# Altium PCB MIXR Power.PcbDoc
Units mm, origin at the board's own origin, x right, y up, seen from the top; angles counter-clockwise.
Board outline 85 x 60 mm, 2 copper layers (Top Layer, Bottom Layer); 89 components, 70 nets, 315 pads, 209 vias.
Unrouted connection lines stored in the file: 55.
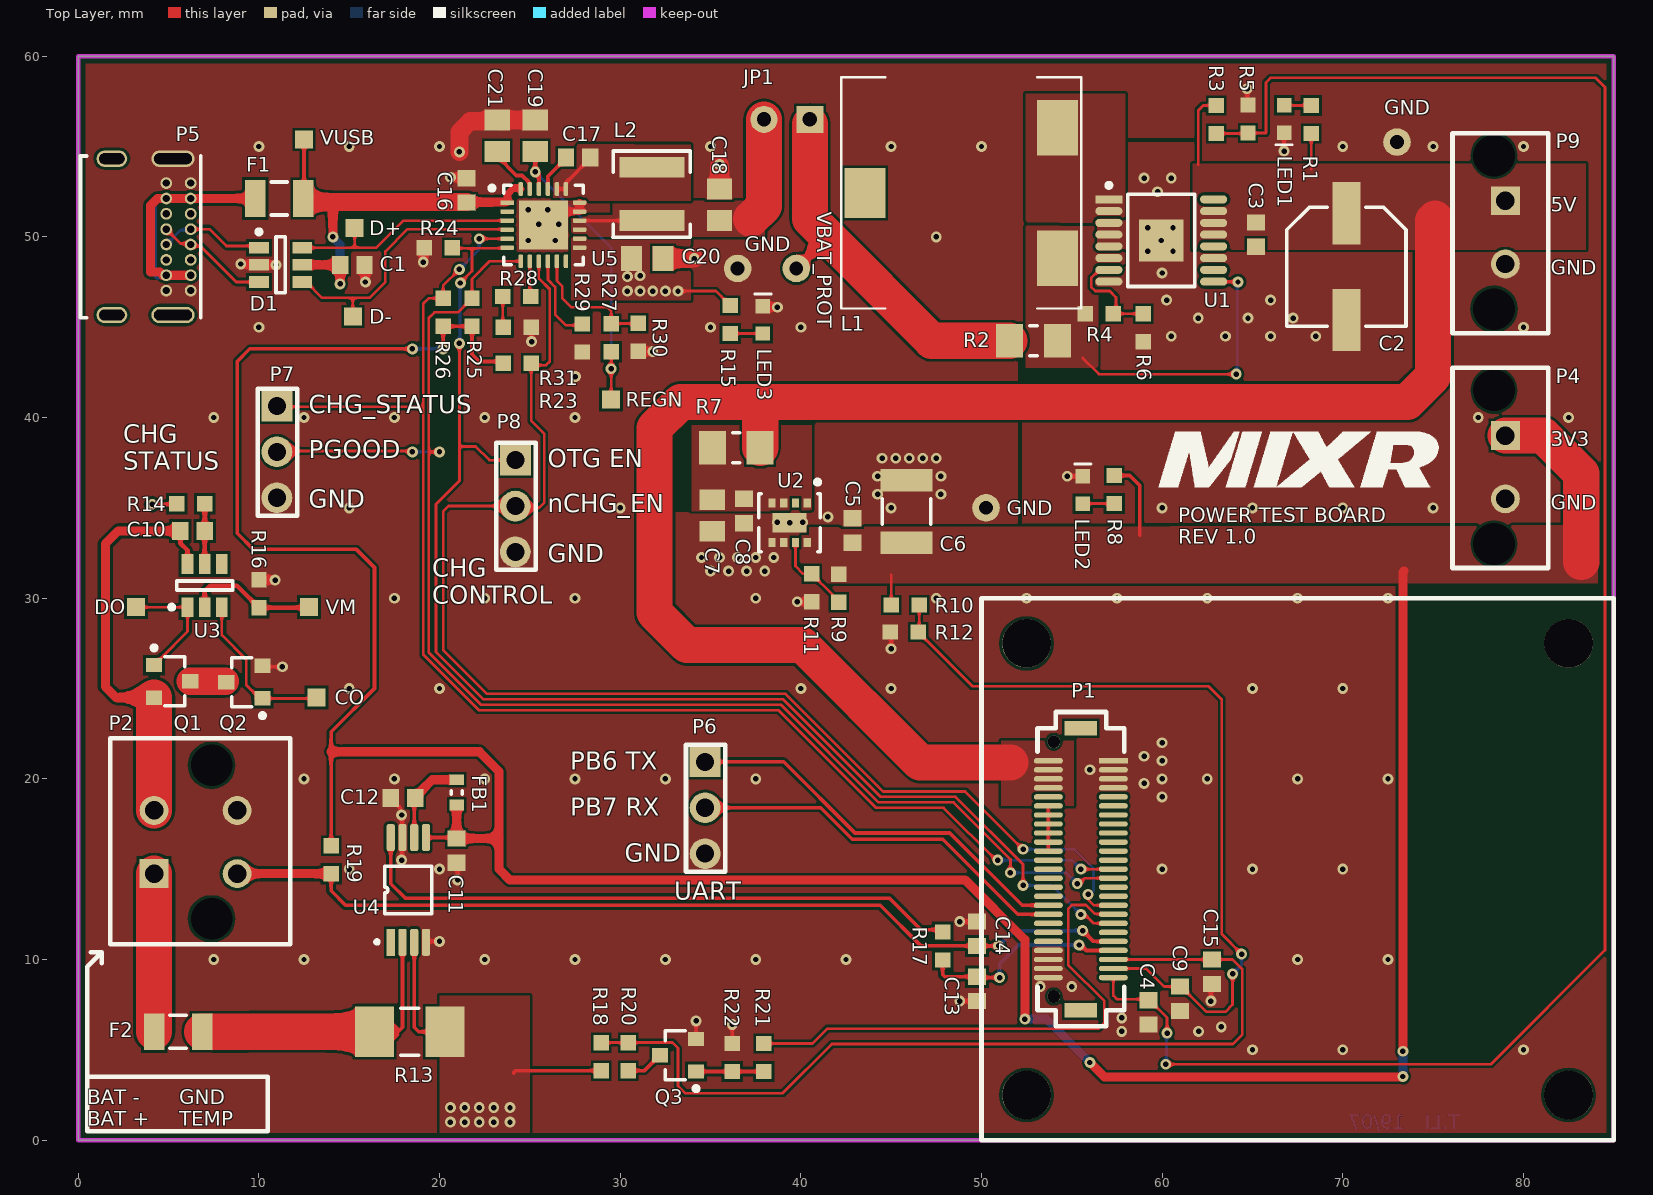
[diagram p0: Top Layer view]
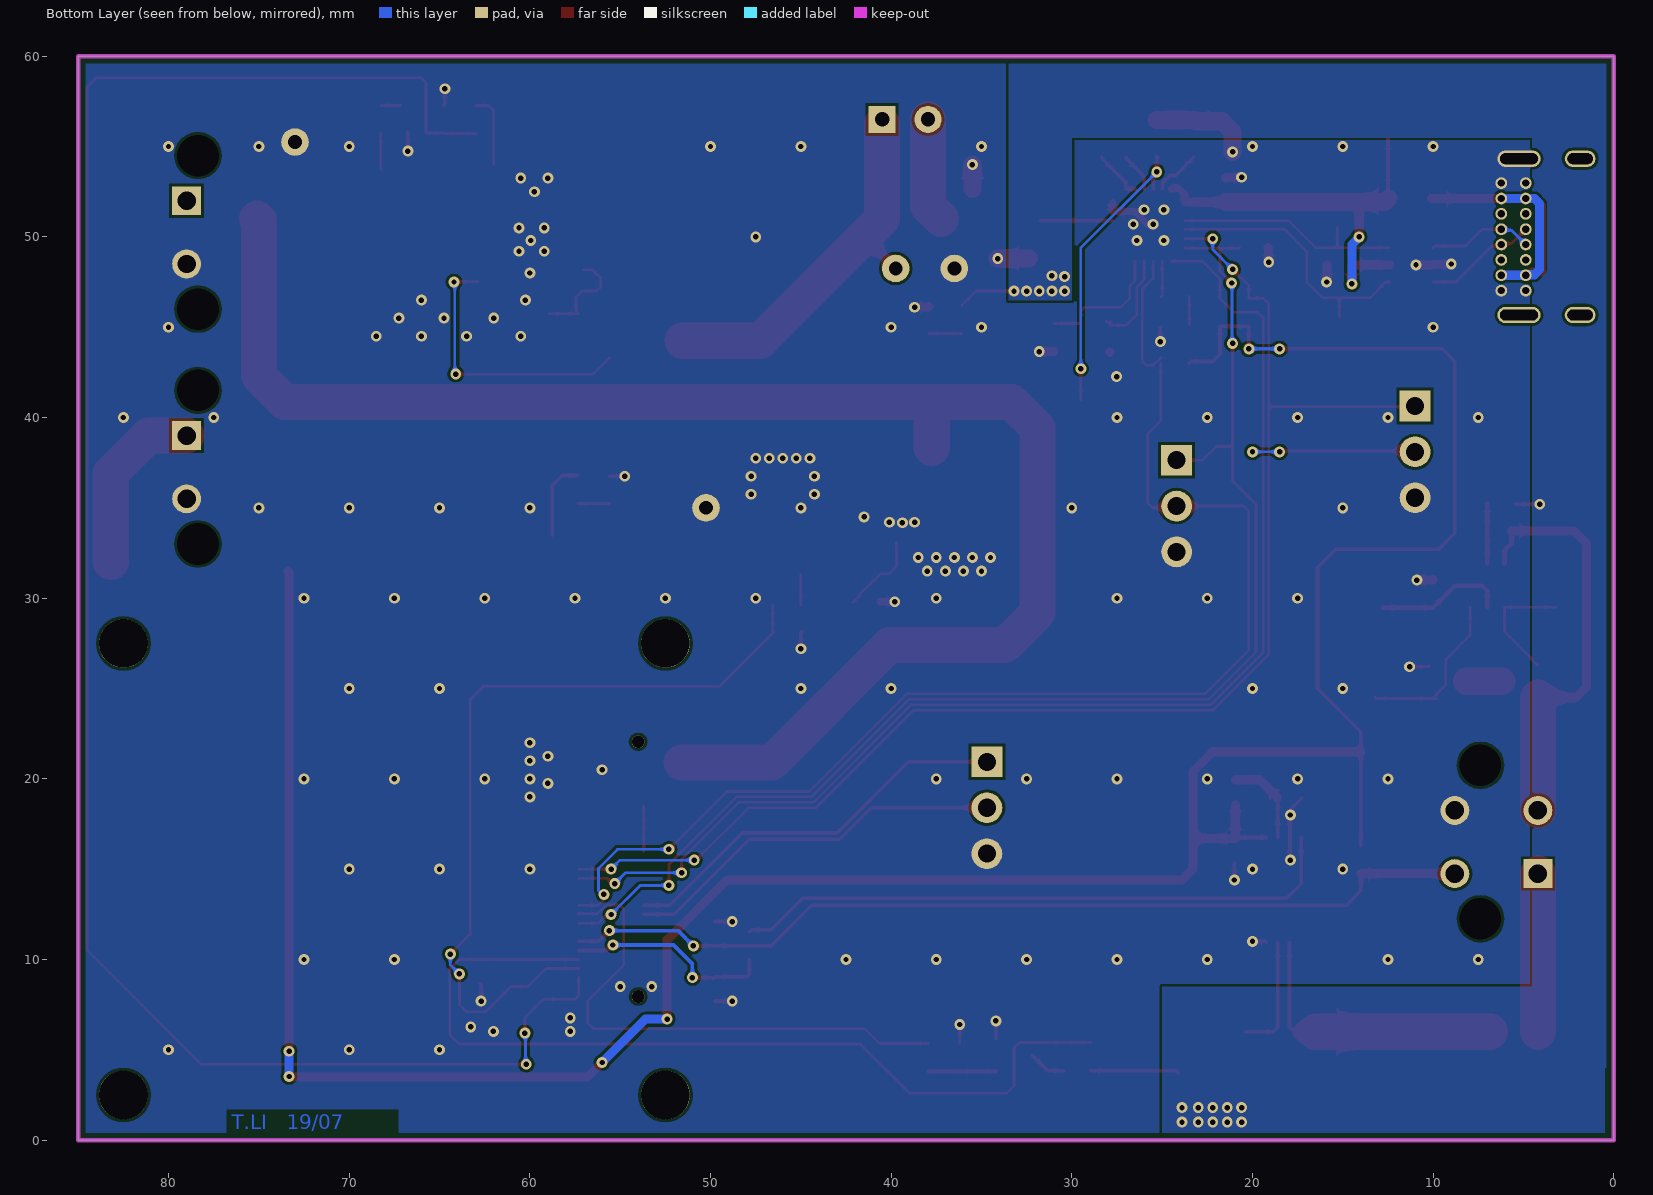
[diagram p1: Bottom Layer view, seen from below]
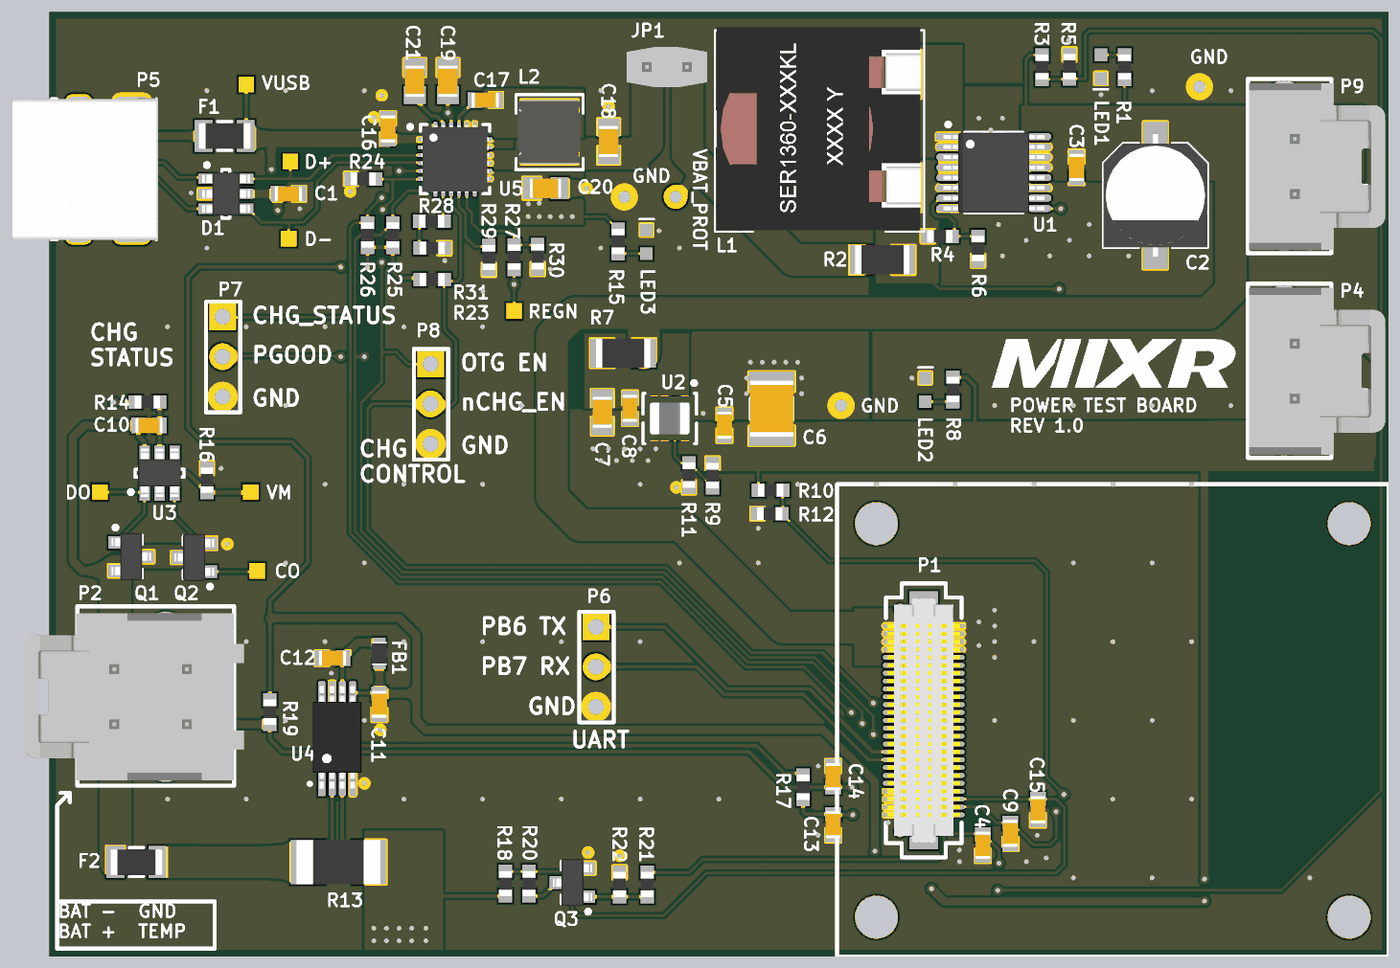
[diagram p2: 3D render of the assembled board from above, using the file's embedded part models]

## Layer stack, top to bottom
Top Solder: solder mask 0.0102, Solder Resist, Dk 3.5
Top Layer: signal copper 0.0356
Dielectric 1: dielectric 0.32, FR-4, Dk 4.8
Bottom Layer: signal copper 0.0356
Bottom Solder: solder mask 0.0102, Solder Resist, Dk 3.5

## Board outline
0,0 0,60 85,60 85,0

## Design rules (kind name [scope] priority, off if disabled: settings)
BoardOutlineClearance [All] p1: gap=0.406 ignorepadtopadclearanceinfootprint=FALSE
Clearance [All] p1: gap=0.152 ignorepadtopadclearanceinfootprint=TRUE except(0: Arc-Hole Track-Hole SMDPad-Hole THPad-Hole Via-Hole Fill-Hole Poly-Hole Region-Hole Text-Hole)
ComponentClearance ComponentClearance_ControllerBoard [InComponent('P1') vs Identifier = 'Controller_Board'] p1: gap=0 collisioncheckmode=3 verticalgap=0 showdistances=FALSE
ComponentClearance ComponentClearance_Standoffs [Identifier = 'Standoff' vs Identifier = 'Controller_Board'] p2: gap=0 collisioncheckmode=3 verticalgap=0 showdistances=FALSE
ComponentClearance [All] p3: gap=0.254 collisioncheckmode=3 verticalgap=0.254 showdistances=FALSE
HoleSize [All] p1: absolutevalues=TRUE maxlimit=6.3 minlimit=0.3 maxpercent=80.000 minpercent=20.000
MinimumAnnularRing [All] p1: minimumring=0.05
MinimumSolderMaskSliver [All] p1: minsoldermaskwidth=0.3
PolygonConnect [IsPad] p1: connectstyle=Direct reliefconductorwidth=0.254 reliefentries=4 polygonreliefangle="90 Angle" airgapwidth=0.254
PolygonConnect PolygonConnect_NoThermal [Not(IsPad)] p2: connectstyle=Direct reliefconductorwidth=0.254 reliefentries=4 polygonreliefangle="90 Angle" airgapwidth=0.254
RoutingVias [All] p1: holewidth=0.3 width=0.6 viastyle="Through Hole" minholewidth=0.3 minwidth=0.6 maxholewidth=0.711 maxwidth=1.27
SilkToSolderMaskClearance [IsPad] p1: minsilkscreentomaskgap=0.178 clearancetoexposedcopper=TRUE
SolderMaskExpansion [All] p1: expansion=0.102
Width [All] p1: maxlimit=3 minlimit=0.15 preferedwidth=0.15
26 further rules are at their usual default settings.

## Classes and differential pairs
component class "MIXR Power - Regulators": C2 C3 C4 C5 C6 C7 C8 C9 L1 LED1 LED2 R1 R2 R3 R4 R5 R6 R7 R8 R9 R10 R11 R12 U1 U2
component class "MIXR Power - Connectors": C1 D1 D+ D- F1 GND P1 P2 P4 P5 P6 P7 P8 P9 VUSB
component class "MIXR Power - Battery Management System": C10 C11 C12 C13 C14 C15 CO DO F2 FB1 LED3 Q1 Q2 Q3 R13 R14 R15 R16 R17 R18 R19 R20 R21 R22 U3 U4 VM
component class "MIXR Power - Battery Charging": C16 C17 C18 C19 C20 C21 JP1 L2 R23 R24 R25 R26 R27 R28 R29 R30 R31 REGN U5 VBAT_PROT

## Components (designator, comment, footprint, x,y, rotation, side; value= is the part's Value field where it differs from the comment)
C1 "CAP CER 0.1UF 50V 10% X7R 0603" "CAP, 0603" 15.175,48.45 r0 top
C2 "CAP ALUM 220UF 20% 16V SMD" "CAP ALUM 6.3MM RADIAL SMD" 70.2,48.35 r270 top
C3 "CAP CER 1UF 50V 10% X7R 0603" "CAP, 0603" 65.2,50.125 r270 top
C4 "CAP CER 10nF 50V 5% X7R 0603" "CAP, 0603" 59.25,7.075 r270 top
C5 "CAP CER 0.1UF 50V 10% X7R 0603" "CAP, 0603" 42.85,33.75 r90 top
C6 "CAP CER 22UF 16V ±20% X5R 1210" "CAP, 1210" 45.85,34.8 r90 top
C7 "CAP CER 10uF 25V 10% X5R 0805" "CAP, 0805" 35.1,34.575 r270 top
C8 "CAP CER 0.1UF 50V 10% X7R 0603" "CAP, 0603" 36.85,34.825 r270 top
C9 "CAP CER 10nF 50V 5% X7R 0603" "CAP, 0603" 61,7.825 r270 top
C10 "CAP CER 0.1UF 50V 10% X7R 0603" "CAP, 0603" 6.33,33.729 r180 top
C11 "CAP CER 0.1UF 50V 10% X7R 0603" "CAP, 0603" 20.95,16.025 r270 top
C12 "CAP CER 0.1UF 50V 10% X7R 0603" "CAP, 0603" 17.975,18.95 r180 top
C13 "CAP CER 10nF 50V 5% X7R 0603" "CAP, 0603" 49.75,8.375 r270 top
C14 "CAP CER 10nF 50V 5% X7R 0603" "CAP, 0603" 49.75,11.425 r90 top
C15 "CAP CER 10nF 50V 5% X7R 0603" "CAP, 0603" 62.75,9.325 r270 top
C16 "CAP CER 1UF 50V 10% X7R 0603" "CAP, 0603" 21.5,52.575 r90 top
C17 "CAP CER 0.047UF 10% 25V X7R 0603" "CAP, 0603" 27.675,54.4 r180 top
C18 "CAP CER 10uF 25V 10% X5R 0805" "CAP, 0805" 35.5,51.775 r90 top
C19 "CAP CER 4.7UF 50V 10% X5R 0805" "CAP, 0805" 25.3,55.6 r90 top value=4.7uF
C20 "CAP CER 10uF 25V 10% X5R 0805" "CAP, 0805" 31.5,48.8 r0 top
C21 "CAP CER 10uF 25V 10% X5R 0805" "CAP, 0805" 23.2,55.6 r90 top
CO "Test Point" "Test Point" 13.2,24.5 r0 top
D1 "DIODE TVS 5.25V 17V SOT23-6" SOT23-6 11.229,48.445 r0 top
D+ "Test Point" "Test Point" 15.3,50.5 r0 top
D- "Test Point" "Test Point" 15.2,45.6 r0 top
DO "Test Point" "Test Point" 3.2,29.5 r0 top
F1 "FUSE 2.5A 32VDC 1206" "FUSE LITTLEFUSE 0466 1206" 11.13,52.125 r0 top
F2 "FUSE 2.5A 32VDC 1206" "FUSE LITTLEFUSE 0466 1206" 5.53,6 r0 top
FB1 "FB 600 OHM 1LN 0603" "FB 0603" 20.95,19.25 r270 top
GND "Thru Test Point" "Thru Test Point" 50.25,35 r90 top
GND "Thru Test Point" "Thru Test Point" 36.5,48.25 r90 top
GND "Thru Test Point" "Thru Test Point" 73,55.25 r90 top
JP1 "JUMPER" "CONN, 2POS JUMPER 0.1\"" 40.5,56.5 r180 top
L1 "IND 4.7uH 9.4A 10% SMD" "IND 4.7uH 9.4A 10% SMD" 54.2,48.825 r180 top
L2 "IND 1uH 3.8A 25 MOHM SMD" "IND 1uH 3.8A 25 MOHM SMD" 31.75,53.85 r270 top
LED1 "LED GREEN CLEAR 2V 0603" LED_0603 66.74,57.225 r270 top
LED2 "LED BLUE CLEAR 2.8V 0603" LED_0603 55.61,35.289 r90 top
LED3 "LED RED CLEAR 2V 0603" LED_0603 37.91,44.7 r90 top
P1 "CONN 50POS Bergstak Plug 0.02\"" "CONN, BERGSTAK 50 POS PLUG" 55.5,15 r0 top locked
P2 "BLK" "CONN, 4POS 2 ROW ULTRA-FIT" 4.2,14.75 r90 top
P4 "CONN 2POS ULTRA-FIT 0.138\"" "CONN, 2POS ULTRA-FIT" 79,39 r270 top
P5 "CONN RECPT USB2.0 TYPE-C 16POS" "CONN RECPT USB2.0 TYPE C 16-POS" 2.2,50 r270 top
P6 "CONN 3POS HEADR MALE 0.1\"" "CONN, 3POS 0.100\" Header, 1 ROW" 34.7,20.94 r270 top
P7 "CONN 3POS HEADR MALE 0.1\"" "CONN, 3POS 0.100\" Header, 1 ROW" 11,40.64 r270 top
P8 "CONN 3POS HEADR MALE 0.1\"" "CONN, 3POS 0.100\" Header, 1 ROW" 24.2,37.64 r270 top
P9 "CONN 2POS ULTRA-FIT 0.138\"" "CONN, 2POS ULTRA-FIT" 79,52 r270 top
Q1 "MOSFET N-CH 30V 6.2A 0.9W SOT-23" "MOSFET N-CH 30V 6.2A 0.9W SOT-23" 5.2,25.4 r0 top
Q2 "MOSFET N-CH 30V 6.2A 0.9W SOT-23" "MOSFET N-CH 30V 6.2A 0.9W SOT-23" 9.2,25.35 r180 top
Q3 "MOSFET N-CH 30V 6.2A 0.9W SOT-23" "MOSFET N-CH 30V 6.2A 0.9W SOT-23" 33.2,4.7 r180 top
R1 "RES 4.7K OHM 1% 1/10W 0603" "RES, 0603" 68.25,56.5 r90 top
R2 "RES 0.0 OHM 3/4W 1206" "RES 1206" 52.875,44.25 r0 top
R3 "RES 10K OHM 1% 1/10W 0603" "RES, 0603" 63,56.5 r270 top
R4 "RES 1.54M OHM 1% 1/10W 0603" "RES, 0603" 56.525,45.75 r0 top
R5 "RES 10K OHM 1% 1/10W 0603" "RES, 0603" 64.75,56.525 r90 top
R6 "RES 390K OHM 1% 1/10W 0603" "RES, 0603" 58.95,44.975 r270 top
R7 "RES 0.0 OHM 3/4W 1206" "RES 1206" 36.425,38.325 r180 top
R8 "RES 4.7K OHM 1% 1/10W 0603" "RES, 0603" 57.35,36.014 r270 top
R9 "RES 510K OHM 0.5% 1/10W 0603" "RES, 0603" 42.1,30.55 r270 top
R10 "RES 4.7K OHM 1% 1/10W 0603" "RES, 0603" 45.775,29.625 r0 top
R11 "RES 162K OHM 1% 1/10W 0603" "RES, 0603" 40.6,30.575 r270 top
R12 "RES 10K OHM 1% 1/10W 0603" "RES, 0603" 45.725,28.125 r180 top
R13 "RES 0.003 OHM 1% 1.5W 2010" "RES 2010" 18.35,6 r0 top
R14 "RES 330 OHM 1% 1/10W 0603" "RES, 0603" 6.23,35.229 r0 top value=330
R15 "RES 4.7K OHM 1% 1/10W 0603" "RES, 0603" 36.1,45.425 r270 top
R16 "2.7k" "RES, 0603" 10.005,30.254 r90 top
R17 "RES 330 OHM 1% 1/10W 0603" "RES, 0603" 47.85,10.75 r270 top value=330
R18 "RES 4.7K OHM 1% 1/10W 0603" "RES, 0603" 28.95,4.625 r90 top
R19 "RES 10K OHM 1% 1/10W 0603" "RES, 0603" 14,15.525 r270 top
R20 "RES 10K OHM 1% 1/10W 0603" "RES, 0603" 30.45,4.625 r270 top
R21 "RES 40.2 OHM 0.5% 1/10W 0603" "RES, 0603" 37.95,4.575 r270 top
R22 "RES 10K OHM 1% 1/10W 0603" "RES, 0603" 36.2,4.575 r90 top
R23 "RES 10K OHM 1% 1/10W 0603" "RES, 0603" 24.3,43 r0 top
R24 "RES 10K OHM 1% 1/10W 0603" "RES, 0603" 19.925,49.4 r180 top
R25 "RES 10K OHM 1% 1/10W 0603" "RES, 0603" 21.8,45.825 r90 top
R26 "RES 10K OHM 1% 1/10W 0603" "RES, 0603" 20.2,45.825 r90 top
R27 "RES 10K OHM 1% 1/10W 0603" "RES, 0603" 29.5,44.425 r90 top
R28 "RES 220 OHM 1% 1/10W 0603" "RES, 0603" 24.275,46.7 r180 top
R29 "RES 330 OHM 1% 1/10W 0603" "RES, 0603" 27.9,44.4 r270 top value=330
R30 "RES 10K OHM 1% 1/10W 0603" "RES, 0603" 31,44.45 r270 top
R31 "RES 40.2 OHM 0.5% 1/10W 0603" "RES, 0603" 24.3,45 r0 top
REGN "Test Point" "Test Point" 29.5,41 r90 top
U1 "IC REG BOOST 5V 3.6A 16-TSSOP" "IC REG BOOST 5V 3.6A 16-TSSOP" 59.95,49.8 r0 top
U2 "IC DCDC 0.8-6V 2A 8-uSIP" "IC DCDC 0.8-6V 2A 8-uSIP" 39.375,34.175 r270 top
U3 "IC BATT PROT LI-ION 1-CELL SOT26" SOT23-6 7.005,30.729 r90 top
U4 "100V/V" "IC CURRENT AMPLIFIER INA240 TSSOP-8" 17.3,10.95 r90 top
U5 "IC BATT CHG LI-ION 1 CELL 24-VQFN" "IC BATT CHG LI-ION 1 CELL 24-VQFN" 25.75,50.65 r0 top
VBAT_PROT "Thru Test Point" "Thru Test Point" 39.75,48.25 r270 top
VM "Test Point" "Test Point" 12.78,29.5 r0 top
VUSB "Test Point" "Test Point" 12.5,55.4 r90 top

## Footprints (in the part's own frame and the unit in brackets; to place one, negate y for a bottom-side part, rotate by r counter-clockwise, add the part's x,y. Pads: shape width x height; smd on the part's side, far side on the other; paste and mask are expansions set on the pad)
"CAP ALUM 6.3MM RADIAL SMD" [mm] "Aluminum Electrolytic Capacitor, Body 6.50x6.50x5.50mm, IPC Low Density"
  rect 3.45x1.55 smd: 1(-2.95,0) 2(2.95,0)
  silkscreen extent -3.3,-3.3 3.3,3.3, body extent -3.9,-3.3 3.9,3.3, height 5.5
"CAP, 0603" [mm] "Chip Capacitor, 2-Leads, Body 1.60x0.81mm, IPC Medium Density"
  rect 0.9x1 smd mask+0.076: 1(-0.675,0) 2(0.675,0)
  body extent -0.87,-0.48 0.87,0.48, height 0.9
"CAP, 0805" [mm] "Chip Capacitor, 2-Leads, Body 2.00x1.25mm, IPC Medium Density"
  rect 1.15x1.4 smd: 1(-0.875,0) 2(0.875,0)
  body extent -1,-0.63 1,0.63, height 1.25
"CAP, 1210" [mm] "Chip Capacitor, 2-Leads, Body 3.20x2.50mm, IPC Low Density"
  rect 1.25x2.9 smd: 1(-1.725,0) 2(1.725,0)
  silkscreen extent -0.7,-1.35 0.7,1.35, body extent -1.8,-1.4 1.8,1.4, height 2.8
"CONN RECPT USB2.0 TYPE C 16-POS" [mm] "USB 2.0 Type C Receptacle Dip Type, PCB Top Mount"
  round 0.65 hole 0.4: A1(-2.975,4.025) A4(-2.125,4.025) A5(-1.275,4.025) A6(-0.425,4.025) A7(0.425,4.025) A8(1.275,4.025) A9(2.125,4.025) A12(2.975,4.025) B1(2.975,2.675) B4(2.125,2.675) B5(1.275,2.675) B6(0.425,2.675) B7(-0.425,2.675) B8(-1.275,2.675) B9(-2.125,2.675) B12(-2.975,2.675)
  oval 0.9x2.4 hole 0.6 slot 2.1 at 90 deg: P1(-4.325,3.045) P2(4.325,3.045)
  oval 0.9x1.7 hole 0.6 slot 1.4 at 90 deg: P3(4.325,-0.335) P4(-4.325,-0.335)
  silkscreen extent -4.47,-2.07 4.47,4.58, body extent -4.51,-4.56 4.52,4.61, height 3.46
"CONN, 2POS JUMPER 0.1\"" [mm]
  rect 1.5x1.5 hole 0.8: 1(0,0)
  round 1.5 hole 0.8: 2(2.54,0)
  body extent -1.24,-1.27 3.84,1.27, height 9.25
"CONN, 2POS ULTRA-FIT" [mm] "2 Positions Header, Shrouded Connector 0.138\" (3.50mm) Through Hole Gold"
  rect 1.6x1.6 hole 1.02: 1(0,0)
  round 1.6 hole 1.02: 2(3.5,0)
  round 1.6 hole 2.3: ""(-2.5,-0.63) ""(6,-0.63)
  silkscreen extent -3.74,-2.93 7.33,2.37, body extent -3.48,-2.87 7.12,5.79, height 13.85
"CONN, 3POS 0.100\" Header, 1 ROW" [mm] "Connector, 3 position 0.1\" (2.54mm) Through Hole Generic Header"
  rect 1.7x1.7 hole 1: 1(0,0)
  round 1.7 hole 1: 2(2.54,0) 3(5.08,0)
  silkscreen extent -0.95,-1.06 6.08,1.12
"CONN, 4POS 2 ROW ULTRA-FIT" [mm]
  rect 1.6x1.6 hole 1.02: 1(0,0)
  round 1.6 hole 1.02: 2(3.5,0) 3(0,-4.6) 4(3.5,-4.6)
  round 0 hole 2.3: ""(-2.5,-3.18) ""(6,-3.18)
  silkscreen extent -3.9,-7.53 7.5,2.42, body extent -3.55,-8.15 7.05,5.76, height 13.9
"CONN, BERGSTAK 50 POS PLUG" [mm] "Bergstak 50 Position Plug"
  rect 1.6x0.3 smd: 1(1.8,6)
  oval 1.6x0.3 smd: 2(1.8,5.5) 3(1.8,5) 4(1.8,4.5) 5(1.8,4) 6(1.8,3.5) 7(1.8,3) 8(1.8,2.5) 9(1.8,2) 10(1.8,1.5) 11(1.8,1) 12(1.8,0.5) 13(1.8,0) 14(1.8,-0.5) 15(1.8,-1) 16(1.8,-1.5) 17(1.8,-2) 18(1.8,-2.5) 19(1.8,-3) 20(1.8,-3.5) 21(1.8,-4) 22(1.8,-4.5) 23(1.8,-5) 24(1.8,-5.5) 25(1.8,-6) 26(-1.8,-6) 27(-1.8,-5.5) 28(-1.8,-5) 29(-1.8,-4.5) 30(-1.8,-4) 31(-1.8,-3.5) 32(-1.8,-3) 33(-1.8,-2.5) 34(-1.8,-2) 35(-1.8,-1.5) 36(-1.8,-1) 37(-1.8,-0.5) 38(-1.8,0) 39(-1.8,0.5) 40(-1.8,1) 41(-1.8,1.5) 42(-1.8,2) 43(-1.8,2.5) 44(-1.8,3) 45(-1.8,3.5) 46(-1.8,4) 47(-1.8,4.5) 48(-1.8,5) 49(-1.8,5.5) 50(-1.8,6)
  round 0.7 hole 0.7: ""(-1.5,-7.05) ""(-1.5,7.05)
  rect 1.8x0.8 smd: ""(0,-7.8) ""(0,7.8)
  silkscreen extent -2.4,-8.7 2.4,8.7, body extent -2.3,-7.75 2.3,7.75, height 4.2
"FB 0603" [mm] "Ferrite Bead, 0603"
  rect 0.6x0.8 smd: 1(-0.7,0) 2(0.7,0)
  silkscreen extent -0.1,-0.3 0.1,0.3, body extent -0.72,-0.48 0.72,0.48, height 0.95
"FUSE LITTLEFUSE 0466 1206" [mm]
  rect 1.14x2.03 smd: 1(-1.33,0) 2(1.33,0)
  silkscreen extent -0.45,-0.92 0.45,0.91, body extent -1.65,-0.82 1.65,0.82, height 0.6
"IC BATT CHG LI-ION 1 CELL 24-VQFN" [mm]
  rect 0.75x0.25 smd: 1(-2,1.25)
  rrect50% 0.75x0.25 smd: 2(-2,0.75) 3(-2,0.25) 4(-2,-0.25) 5(-2,-0.75) 6(-2,-1.25) 13(2,-1.25) 14(2,-0.75) 15(2,-0.25) 16(2,0.25) 17(2,0.75) 18(2,1.25)
  rrect50% 0.25x0.75 smd: 7(-1.25,-2) 8(-0.75,-2) 9(-0.25,-2) 10(0.25,-2) 11(0.75,-2) 12(1.25,-2) 19(1.25,2) 20(0.75,2) 21(0.25,2) 22(-0.25,2) 23(-0.75,2) 24(-1.25,2)
  rect 2.7x2.7 smd: 25(0,0)
  silkscreen extent -2.97,-2.2 2.2,2.2, body extent -2.13,-2.13 2.13,2.13, height 1
"IC CURRENT AMPLIFIER INA240 TSSOP-8" [mm]
  rect 1.5x0.45 smd: 1(0,0)
  rrect50% 1.5x0.45 smd: 2(0,-0.65) 3(0,-1.3) 4(0,-1.95) 5(5.8,-1.95) 6(5.8,-1.3) 7(5.8,-0.65) 8(5.8,0)
  silkscreen extent -0.06,-2.28 4.22,0.84, body extent -0.28,-2.52 6.22,0.58, height 1.2
"IC DCDC 0.8-6V 2A 8-uSIP" [mm]
  rect 0.5x0.4 smd: 1(-1.1,0.975) 2(-1.1,0.325) 3(-1.1,-0.325) 4(-1.1,-0.975) 5(1.1,-0.975) 6(1.1,-0.325) 7(1.1,0.325) 8(1.1,0.975)
  rect 1.1x1.9 smd: 9(0,0)
  silkscreen extent -2.37,-1.7 1.6,1.7, body extent -1.4,-1.5 1.4,1.5, height 1.31
"IC REG BOOST 5V 3.6A 16-TSSOP" [mm]
  rect 1.5x0.45 smd: 1(-2.9,2.275)
  oval 1.5x0.45 smd: 2(-2.9,1.625) 3(-2.9,0.975) 4(-2.9,0.325) 5(-2.9,-0.325) 6(-2.9,-0.975) 7(-2.9,-1.625) 8(-2.9,-2.275) 9(2.9,-2.275) 10(2.9,-1.625) 11(2.9,-0.975) 12(2.9,-0.325) 13(2.9,0.325) 14(2.9,0.975) 15(2.9,1.625) 16(2.9,2.275)
  rect 2.46x2.31 smd: 17(0,0)
  silkscreen extent -3.02,-2.55 1.85,3.17, body extent -3.2,-2.55 3.2,2.55, height 1.2
"IND 1uH 3.8A 25 MOHM SMD" [mm]
  rect 1.15x3.6 smd: 1(0,0) 2(2.95,0)
  silkscreen extent -0.9,-2.15 3.88,2.12, body extent -0.5,-2 3.45,1.95, height 1.65
"IND 4.7uH 9.4A 10% SMD" [mil]
  rect 89x121 smd: 1(0,0) 2(0,-284)
  rect 89x109 smd: 3(419,-142)
  silkscreen extent -52,-394 471,110, body extent -44,-402 468,106, height 228
LED_0603 [mm]
  rect 0.8x0.8 smd: 1(-0.05,0.01) 2(1.45,0.01)
  silkscreen extent 2.13,-0.46 2.13,0.45, body extent -0.09,-0.39 1.51,0.41, height 0.8
"MOSFET N-CH 30V 6.2A 0.9W SOT-23" [mm] "SOT23, 3-Leads, Body 2.90x2.40mm, Pitch 0.90mm, IPC Medium Density"
  rect 0.9x0.8 smd: 1(-1,0.9) 2(-1,-0.9) 3(1,0)
  silkscreen extent -1.12,-1.35 0.7,1.97, body extent -1.25,-1.5 1.25,1.5, height 1.1
"RES 1206" [mm] "Chip Resistor, 2-Leads, Body 3.20x1.60mm, IPC Medium Density"
  rect 1.5x1.85 smd: 1(-1.325,0) 2(1.325,0)
  silkscreen extent -0.2,-0.82 0.2,0.82, body extent -1.73,-0.92 1.73,0.92, height 0.64
"RES 2010" [mm] "Chip Resistor, 2-Leads, Body 5.08x2.54mm, IPC Medium Density"
  rect 2.15x2.8 smd: 1(-1.95,0) 2(1.95,0)
  silkscreen extent -0.5,-1.3 0.5,1.3, body extent -2.67,-1.4 2.67,1.4, height 1.04
"RES, 0603" [mm] "Chip Resistor, 2-Leads, Body 1.60x0.80mm, IPC Medium Density"
  rect 0.85x0.85 smd: 1(-0.775,0) 2(0.775,0)
  body extent -0.8,-0.4 0.8,0.4, height 0.55
SOT23-6 [mm]
  rect 1.1x0.65 smd: 1(-1.229,0.955) 2(-1.229,0.005) 3(-1.229,-0.945) 4(1.171,-0.945) 5(1.171,0.005) 6(1.171,0.955)
  silkscreen extent -1.35,-1.54 0.22,1.95, body extent -1.52,-1.37 1.53,1.38, height 1.1
"Test Point" [mm]
  rect 1x1 smd paste-2: TP(0,0)
"Thru Test Point" [mil]
  round 60 hole 30: TH_TP(0,0)
